# Altium PCB Archimajor.PcbDoc (part 2 of 12) (continued)
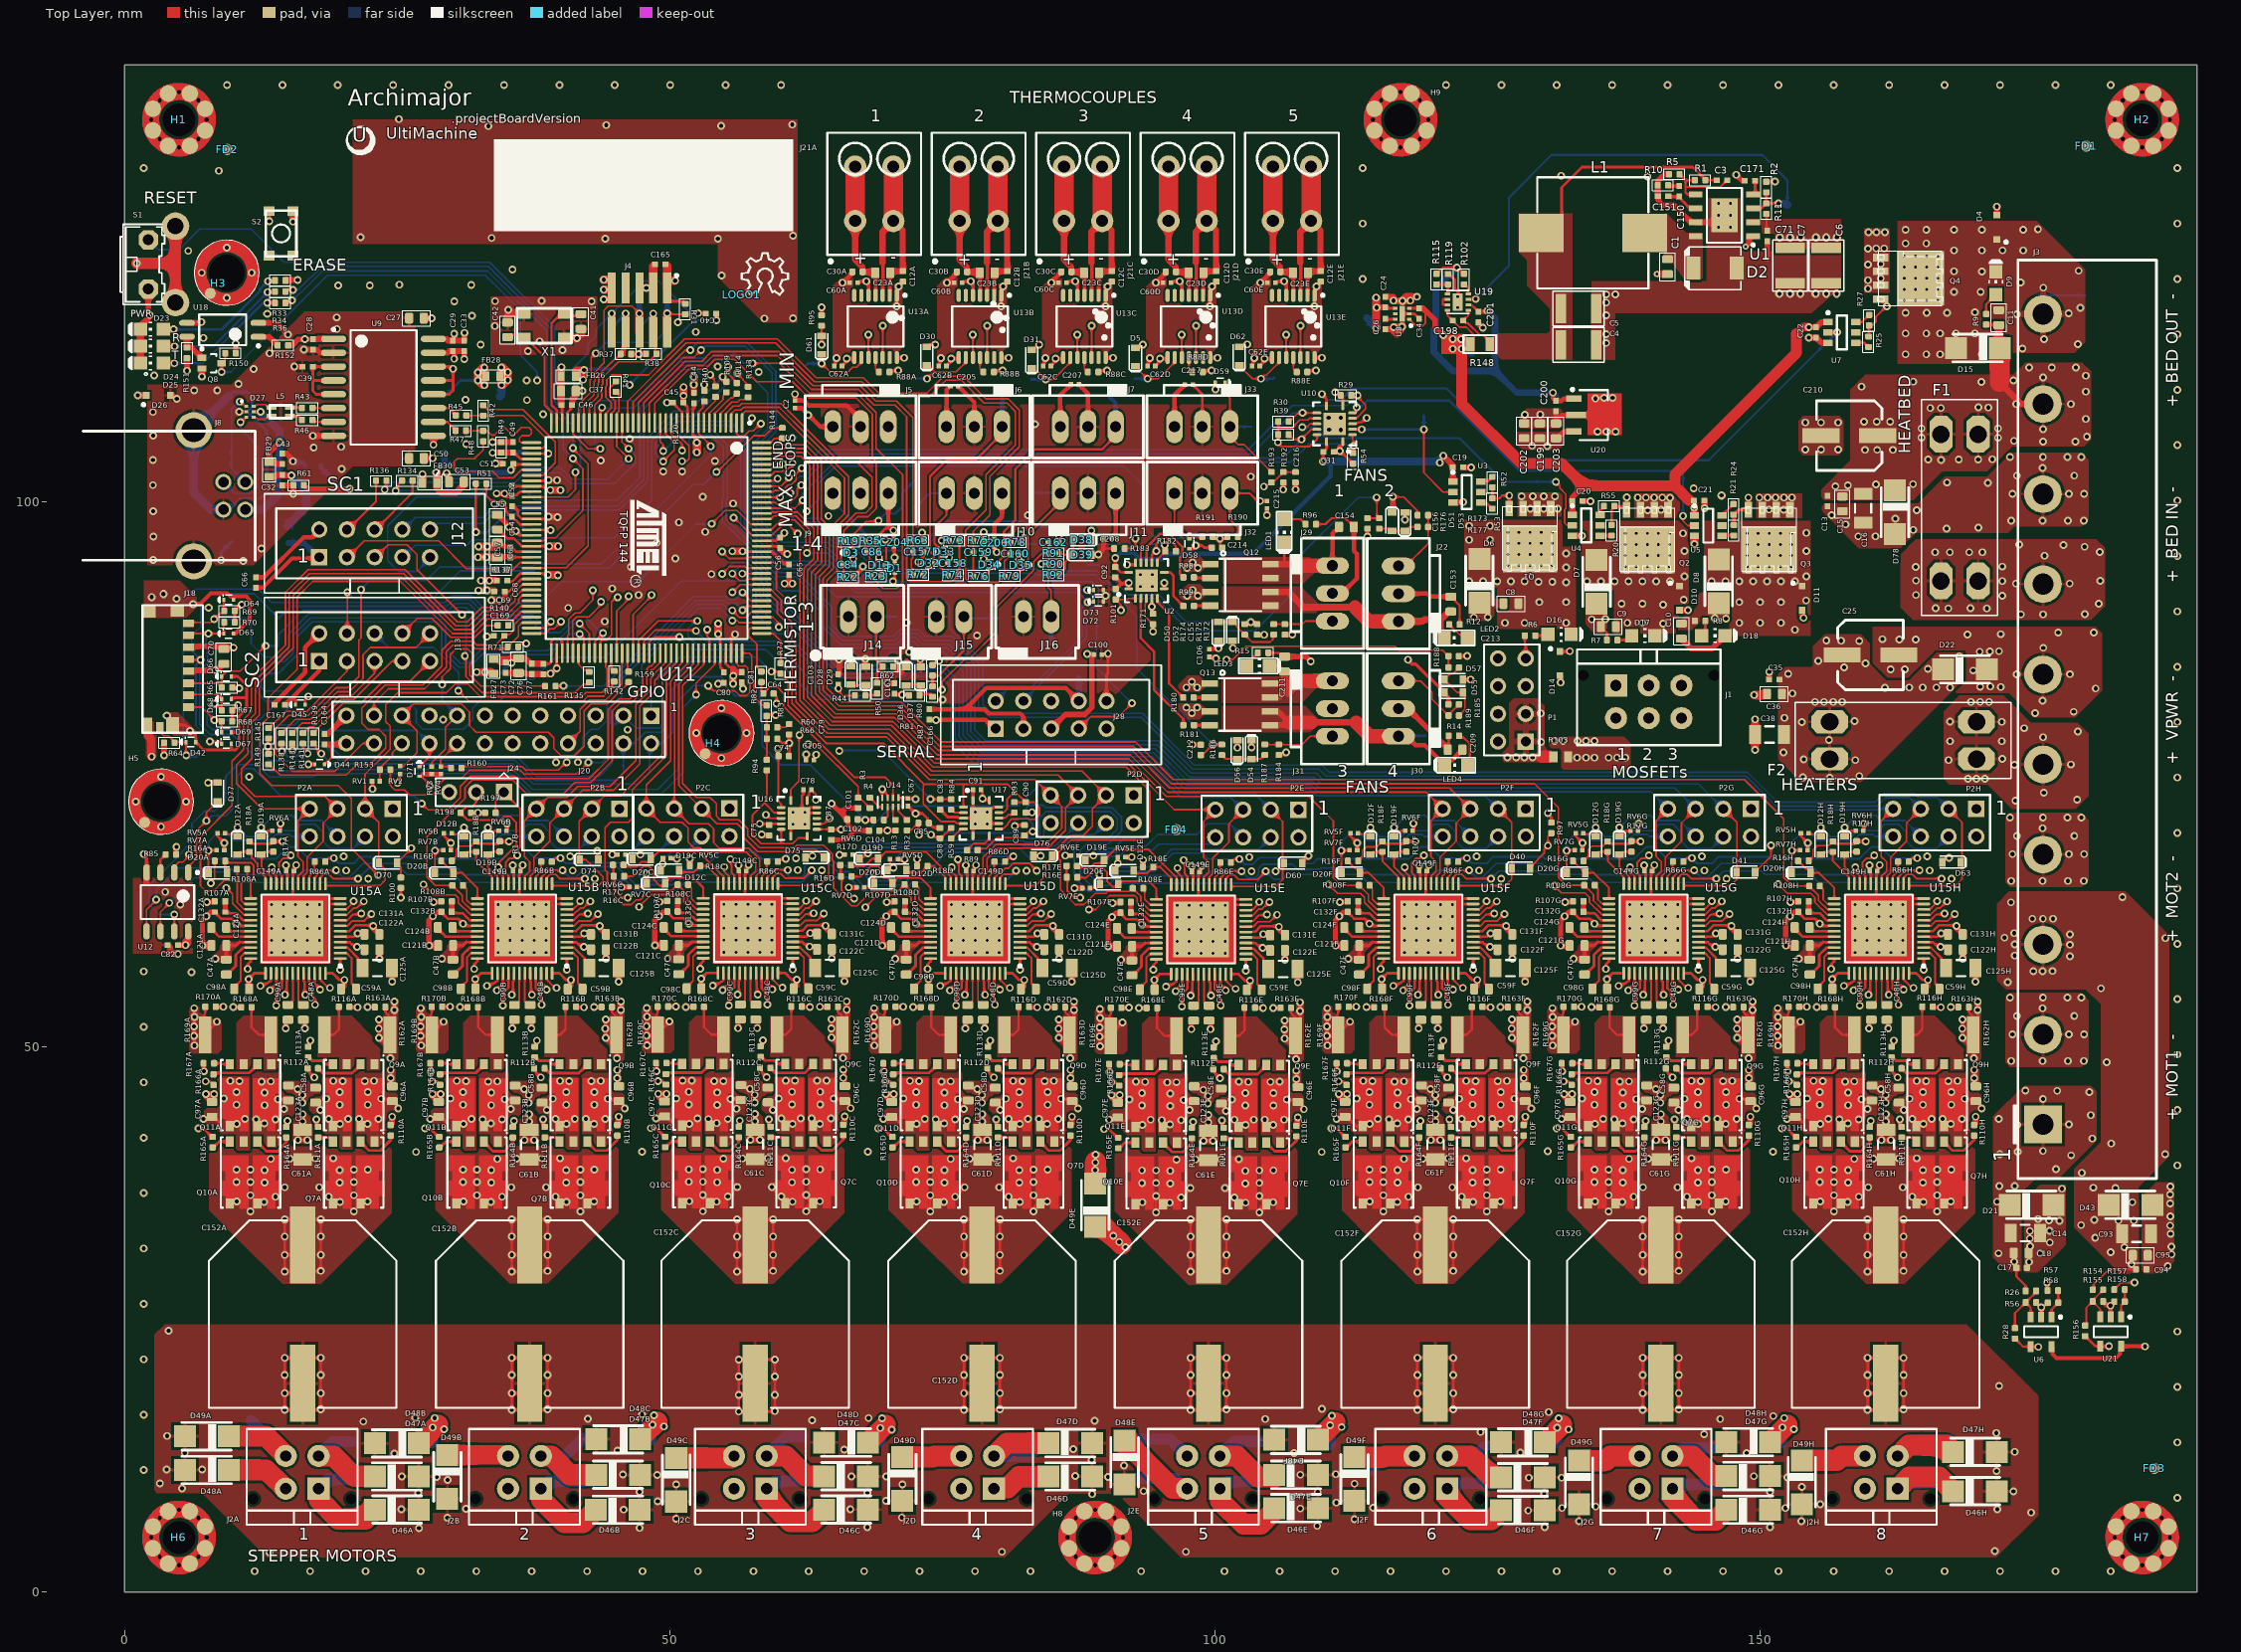
[diagram p0: Top Layer view]
## Components (designator, comment, footprint, x,y, rotation, side; value= is the part's Value field where it differs from the comment) (continued)
RV5G "AVRM0603C6R8NT101N" "C0201 Large Pads" 133.4,69.56 r180 top value=6.8V (schematic designator RV5)
RV5H "AVRM0603C6R8NT101N" "C0201 Large Pads" 154.05,69.56 r180 top value=6.8V (schematic designator RV5)
RV6A "AVRM0603C6R8NT101N" "C0201 Large Pads" 13.9,69.785 r0 top value=6.8V (schematic designator RV6)
RV6B "AVRM0603C6R8NT101N" "C0201 Large Pads" 34.675,69.785 r0 top value=6.8V (schematic designator RV6)
RV6C "AVRM0603C6R8NT101N" "C0201 Large Pads" 45.563,67.619 r180 top value=6.8V (schematic designator RV6)
RV6D "AVRM0603C6R8NT101N" "C0201 Large Pads" 66.405,67.595 r180 top value=6.8V (schematic designator RV6)
RV6E "AVRM0603C6R8NT101N" "C0201 Large Pads" 87.113,67.519 r180 top value=6.8V (schematic designator RV6)
RV6F "AVRM0603C6R8NT101N" "C0201 Large Pads" 117.775,69.785 r0 top value=6.8V (schematic designator RV6)
RV6G "AVRM0603C6R8NT101N" "C0201 Large Pads" 138.425,69.785 r0 top value=6.8V (schematic designator RV6)
RV6H "AVRM0603C6R8NT101N" "C0201 Large Pads" 159.075,69.785 r0 top value=6.8V (schematic designator RV6)
RV7A "AVRM0603C6R8NT101N" "C0201 Large Pads" 8.8,68.01 r0 top value=6.8V (schematic designator RV7)
RV7B "AVRM0603C6R8NT101N" "C0201 Large Pads" 29.575,68.01 r0 top value=6.8V (schematic designator RV7)
RV7C "AVRM0603C6R8NT101N" "C0201 Large Pads" 46.633,64.634 r180 top value=6.8V (schematic designator RV7)
RV7D "AVRM0603C6R8NT101N" "C0201 Large Pads" 67.475,64.61 r180 top value=6.8V (schematic designator RV7)
RV7E "AVRM0603C6R8NT101N" "C0201 Large Pads" 88.183,64.534 r180 top value=6.8V (schematic designator RV7)
RV7F "AVRM0603C6R8NT101N" "C0201 Large Pads" 112.675,68.01 r0 top value=6.8V (schematic designator RV7)
RV7G "AVRM0603C6R8NT101N" "C0201 Large Pads" 133.325,68.01 r0 top value=6.8V (schematic designator RV7)
RV7H "AVRM0603C6R8NT101N" "C0201 Large Pads" 153.975,68.01 r0 top value=6.8V (schematic designator RV7)
S1 "1571610-2" B3F-31XX 3.429,121.73 r270 top value=-NA-
S2 "KMR741NG ULC LFS" "KMR 6 Series" 14.359,124.568 r270 top value=-NA-
TP1 "TestPoint" TP1-27#1 122.293,82.509 r180 bottom
TP2 "TestPoint" TP1-27#1 113.843,88.984 r180 bottom
TP3A "TP4" TP-2 20.882,13.789 r270 bottom (schematic designator TP3)
TP3B "TP4" TP-2 42.021,14.106 r270 bottom (schematic designator TP3)
TP3C "TP4" TP-2 62.15,14.265 r270 bottom (schematic designator TP3)
TP3D "TP4" TP-2 84.617,14.166 r270 bottom (schematic designator TP3)
TP3E "TP4" TP-2 104.766,13.809 r270 bottom (schematic designator TP3)
TP3F "TP4" TP-2 124.717,13.314 r270 bottom (schematic designator TP3)
TP3G "TP4" TP-2 146.014,13.215 r270 bottom (schematic designator TP3)
TP3H "TP4" TP-2 167.471,13.967 r270 bottom (schematic designator TP3)
TP4 "TestPoint" TP1-27#2 87.497,83.784 r90 bottom
TP5 "TP4" TP-2 9.804,103.912 r180 bottom
TP6 "TP4" TP-2 11.405,105.881 r180 bottom
TP7 "TestPoint" TP1-27#2 131.783,109.331 r90 bottom
TP8 "TestPoint" TP1-27#1 110.75,96.359 r90 bottom
TP9 "TP4" TP-2 62.357,84.201 r90 bottom
TP10 "TP4" TP-2 73.568,82.712 r90 bottom
TP11A "TP4" TP-2 62.546,112.526 r90 bottom (schematic designator TP11)
TP11B "TP4" TP-2 72.433,111.278 r90 bottom (schematic designator TP11)
TP11C "TP4" TP-2 83.171,111.179 r90 bottom (schematic designator TP11)
TP11D "TP4" TP-2 92.641,111.278 r90 bottom (schematic designator TP11)
TP11E "TP4" TP-2 105.4,111.317 r90 bottom (schematic designator TP11)
TP12A "TP4" TP-2 22.427,10.342 r90 bottom (schematic designator TP12)
TP12B "TP4" TP-2 42.992,10.164 r90 bottom (schematic designator TP12)
TP12C "TP4" TP-2 63.933,10.183 r90 bottom (schematic designator TP12)
TP12D "TP4" TP-2 85.172,10.064 r90 bottom (schematic designator TP12)
TP12E "TP4" TP-2 104.786,10.144 r90 bottom (schematic designator TP12)
TP12F "TP4" TP-2 125.588,9.965 r90 bottom (schematic designator TP12)
TP12G "TP4" TP-2 146.331,9.866 r90 bottom (schematic designator TP12)
TP12H "TP4" TP-2 167.51,10.005 r90 bottom (schematic designator TP12)
TP13 "TP4" TP-2 6.629,76.645 r270 bottom
TP14 "TP4" TP-2 7.493,86.741 r270 bottom
TP15 "TP4" TP-2 14.097,86.741 r270 bottom
TP16 "TP4" TP-2 14.097,81.661 r270 bottom
TP17 "TestPoint" TP1-27#1 119.293,78.509 r180 bottom
TP18 "TestPoint" TP1-27#1 107.843,83.534 r180 bottom
TP19 "TP4" TP-2 96.225,97.535 r90 bottom
TP20 "TP4" TP-2 11.61,89.281 r270 bottom
TP21 "TP4" TP-2 14.15,89.281 r270 bottom
TP22 "TP4" TP-2 14.097,84.201 r270 bottom
TP23A "TP4" TP-2 70.551,128.098 r90 bottom (schematic designator TP23)
TP23B "TP4" TP-2 80.06,128.098 r90 bottom (schematic designator TP23)
TP23C "TP4" TP-2 89.629,128.098 r90 bottom (schematic designator TP23)
TP23D "TP4" TP-2 99.238,128.098 r90 bottom (schematic designator TP23)
TP23E "TP4" TP-2 108.807,128.098 r90 bottom (schematic designator TP23)
TP24A "TP4" TP-2 67.024,128.098 r90 bottom (schematic designator TP24)
TP24B "TP4" TP-2 76.613,128.098 r90 bottom (schematic designator TP24)
TP24C "TP4" TP-2 86.162,128.098 r90 bottom (schematic designator TP24)
TP24D "TP4" TP-2 95.771,128.098 r90 bottom (schematic designator TP24)
TP24E "TP4" TP-2 105.321,128.098 r90 bottom (schematic designator TP24)
TP25 "TP4" TP-2 72.517,101.981 r90 bottom
TP26 "TP4" TP-2 44.577,112.141 r270 bottom
TP27 "TP4" TP-2 34.417,84.201 r270 bottom
TP29 "TP4" TP-2 29.337,104.521 r270 bottom
TP30 "TP4" TP-2 9.017,112.141 r270 bottom
TP31 "TP4" TP-2 16.637,99.441 r270 bottom
TP32 "TP4" TP-2 36.957,104.521 r270 bottom
TP33 "TP4" TP-2 175.55,38.335 r90 bottom
TP34A "TP4" TP-2 10.5,10.837 r270 bottom (schematic designator TP34)
TP34B "TP4" TP-2 28.212,13.71 r270 bottom (schematic designator TP34)
TP34C "TP4" TP-2 48.282,13.987 r270 bottom (schematic designator TP34)
TP34D "TP4" TP-2 69.306,13.789 r270 bottom (schematic designator TP34)
TP34E "TP4" TP-2 92.819,10.401 r270 bottom (schematic designator TP34)
TP34F "TP4" TP-2 110.511,13.512 r270 bottom (schematic designator TP34)
TP34G "TP4" TP-2 131.215,13.71 r270 bottom (schematic designator TP34)
TP34H "TP4" TP-2 151.899,13.65 r270 bottom (schematic designator TP34)
TP35 "TP4" TP-2 119.129,107.861 r270 bottom
TP36 "TP4" TP-2 123.595,113.551 r0 bottom
TP37 "TP4" TP-2 179.814,118.897 r270 bottom
TP38 "TP4" TP-2 151.209,92.609 r90 bottom
TP39 "TP4" TP-2 140.008,92.609 r270 bottom
TP40 "TP4" TP-2 129.289,92.71 r180 bottom
TP41A "TP4" TP-2 11.63,15.691 r270 bottom (schematic designator TP41)
TP41B "TP4" TP-2 32.294,12.462 r270 bottom (schematic designator TP41)
TP41C "TP4" TP-2 52.224,12.363 r270 bottom (schematic designator TP41)
TP41D "TP4" TP-2 73.72,12.482 r270 bottom (schematic designator TP41)
TP41E "TP4" TP-2 92.819,14.007 r270 bottom (schematic designator TP41)
TP41F "TP4" TP-2 114.216,11.134 r270 bottom (schematic designator TP41)
TP41G "TP4" TP-2 135.118,12.422 r270 bottom (schematic designator TP41)
TP41H "TP4" TP-2 156.138,12.66 r270 bottom (schematic designator TP41)
TP43 "TP4" TP-2 179.814,108.92 r90 bottom
TP44 "TP4" TP-2 179.814,92.516 r180 bottom
TP46 "TP4" TP-2 157.109,83.779 r90 bottom
TP47 "TP4" TP-2 113.929,116.808 r180 bottom
TP48 "TP4" TP-2 179.814,75.913 r180 bottom
TP49 "TP4" TP-2 49.657,118.221 r0 bottom
TP50 "TP4" TP-2 47.117,118.221 r0 bottom
TP51 "TP4" TP-2 179.814,84.234 r180 bottom
TP52 "TP4" TP-2 47.117,115.681 r0 bottom
TP53 "TP4" TP-2 44.577,115.681 r0 bottom
TP54 "TP4" TP-2 89.125,88.56 r0 bottom
TP55 "TP4" TP-2 179.814,99.569 r90 bottom
TP56 "TP4" TP-2 42.037,107.061 r90 bottom
TP58 "TP4" TP-2 126.749,100.33 r90 bottom
TP59 "TP4" TP-2 130.193,101.784 r270 bottom
TP60 "TP4" TP-2 9.804,96.292 r90 bottom
TP61 "TP4" TP-2 14.075,103.416 r90 bottom
TP62 "TP4" TP-2 137.468,100.229 r90 bottom
TP63 "TP4" TP-2 142.893,102.784 r270 bottom
TP64 "TP4" TP-2 148.669,100.229 r90 bottom
TP65 "TP4" TP-2 155.917,114.452 r180 bottom
TP66 "TP4" TP-2 161.468,117.198 r270 bottom
TP67 "TP4" TP-2 67.118,97.818 r90 bottom
TP69 "TestPoint" TP1-27#2 152.476,127.178 r90 bottom
TP74 "TP4" TP-2 9.292,71.172 r90 bottom
TP75 "TP4" TP-2 48.625,83.385 r0 bottom
TP76 "TP4" TP-2 45.7,75.11 r0 bottom
TP77 "TP4" TP-2 48.15,75.16 r0 bottom
TP78 "TP4" TP-2 9.274,73.908 r90 bottom
TP79 "TP4" TP-2 179.814,59.469 r90 bottom
TP80 "TP4" TP-2 80.137,109.601 r90 bottom
TP81 "TP4" TP-2 72.517,99.441 r90 bottom
TP82 "TP4" TP-2 103.368,106.846 r90 bottom
TP101 "TP4" TP-2 64.743,83.109 r90 bottom
TP106 "TP4" TP-2 70.768,89.609 r270 bottom
TP107 "TP4" TP-2 80.137,89.281 r270 bottom
TP108 "TP4" TP-2 85.217,86.741 r270 bottom
TP128 "TP4" TP-2 34.417,109.601 r90 bottom
TP129 "TP4" TP-2 29.337,109.601 r90 bottom
TP130 "TP4" TP-2 90.297,109.601 r90 bottom
TP131 "TP4" TP-2 83.325,100.785 r90 bottom
U1 "TPS54531" SOIC127P600X170_HS-9L 146.694,126.231 r180 top
U2 "SN74AHCT125RGYR" QFN50P350X350X100_RGY_S-PVQFN-N14#1 93.699,92.738 r0 top value="Tri-State Buffer"
U3 "ZXGD3009E6" SOT26P285X140-6L 123.07,100.861 r0 top
U4 "ZXGD3009E6" SOT26P285X140-6L 134.025,97.794 r0 top
U5 "ZXGD3009E6" SOT26P285X140-6L 145.21,97.777 r0 top
U6 "AP331A" SOT23-5 175.726,23.855 r270 top
U7 "ZXGD3009E6" SOT26P285X140-6L 157.463,115.493 r0 top
U8 "MIC5353-3.3YMT-TR" TDFN1616-6LD-PL-1 117.152,117.205 r90 top value="3.3V LDO"
U9 "ADuM3160" ADuM4160 23.749,110.453 r0 top value="USB ISO"
U10 "SN74AHCT125RGYR" QFN50P350X350X100_RGY_S-PVQFN-N14#2 110.961,107.109 r90 top value="Tri-State Buffer"
U11 "ATSAM3X8EA-AU" LQFP144_N 47.879,96.638 r270 top value=-NA-
U12 "AT25SF161-SSHD-T" S25FL216K0PMFI041 3.937,63.271 r270 top value=16Mb
U13A "MAX31856MUD" "TSSOP-14L 65P640X110" 68.865,116.039 r270 top (schematic designator U13)
U13B "MAX31856MUD" "TSSOP-14L 65P640X110" 78.441,116.039 r270 top (schematic designator U13)
U13C "MAX31856MUD" "TSSOP-14L 65P640X110" 88.016,116.039 r270 top (schematic designator U13)
U13D "MAX31856MUD" "TSSOP-14L 65P640X110" 97.592,116.039 r270 top (schematic designator U13)
U13E "MAX31856MUD" "TSSOP-14L 65P640X110" 107.168,116.039 r270 top (schematic designator U13)
U14 "74AVC9112" XSON50P100X50-8L 70.218,72.402 r270 top
U15A "TMC5160-TA" TQFP48-EP 15.682,60.835 r180 top (schematic designator U15)
U15B "TMC5160-TA" TQFP48-EP 36.457,60.835 r180 top (schematic designator U15)
U15C "TMC5160-TA" TQFP48-EP 57.165,60.86 r180 top (schematic designator U15)
U15D "TMC5160-TA" TQFP48-EP 78.007,60.835 r180 top (schematic designator U15)
U15E "TMC5160-TA" TQFP48-EP 98.715,60.76 r180 top (schematic designator U15)
U15F "TMC5160-TA" TQFP48-EP 119.557,60.835 r180 top (schematic designator U15)
U15G "TMC5160-TA" TQFP48-EP 140.208,60.835 r180 top (schematic designator U15)
U15H "TMC5160-TA" TQFP48-EP 160.858,60.835 r180 top (schematic designator U15)
U16 "SN74LVC125A" PVQFN14_3.5X3.5 61.843,70.934 r270 top
U17 "SN74LVC125A" PVQFN14_3.5X3.5 78.55,70.96 r270 top
U18 "TLP293" SO-4 9.004,115.726 r180 top value=-NA-
U19 "INA381A2IDSGR" WSON8_2X2MM 122.249,118.275 r180 top value=INA381A2
U20 "78L05" SOT-89-3 134.692,107.906 r0 top value="5V LDO"
U21 "AP331A" SOT23-5 182.105,23.871 r270 top
X1 "12MHz" CRYS320500 38.48,116.103 r0 top

## Footprints (in the part's own frame and the unit in brackets; to place one, negate y for a bottom-side part, rotate by r counter-clockwise, add the part's x,y. Pads: shape width x height; smd on the part's side, far side on the other; paste and mask are expansions set on the pad)
3557 [mil] "3557"
  oct 133x83 hole 63: 1(-265,-67) 1(-265,67) 2(265,-67) 2(265,67)
  silkscreen extent -390,-138 390,138, body extent -392,-140 392,140, height 709
43045-0412 [mm] "Micro-Fit Through Hole 4pos 0.118\" (3.00mm)"
  rect 2.032x2.032 hole 1.02: 1(-1.5,1.5)
  round 2.032 hole 1.02: 2(-1.5,-1.5) 3(1.5,1.5) 4(1.5,-1.5)
  round 0 hole 1.02 unplated: ""(-4.5,2.44) ""(4.5,2.44)
  silkscreen extent -5.07,-3.97 5.08,4.8, body extent -5.07,-3.97 5.08,4.8, height 9.9
43045-0612 [mm] "Micro-Fit Through Hole 6pos 0.118\" (3.00mm)"
  rect 2.032x2.032 hole 1.02: 1(-3,1.5)
  round 2.032 hole 1.02: 2(-3,-1.5) 3(0,1.5) 4(0,-1.5) 5(3,1.5) 6(3,-1.5)
  round 0 hole 1.02 unplated: ""(-6,2.44) ""(6,2.44)
  silkscreen extent -6.57,-3.97 6.58,4.8, body extent -6.57,-3.97 6.58,4.8, height 9.9
"70543-01 PIN-IN-PASTE" [mil]
  oval 60x120 hole 40: 1(-50,0) 2(50,0)
  oval 59x119 on Top Paste: ""(-50,0) ""(50,0)
  silkscreen extent -150,-150 150,113, body extent -150,-150 150,113, height 450
"70543-02 PIN-IN-PASTE" [mil]
  oval 60x120 hole 40: 1(-100,0) 2(0,0) 3(100,0)
  oval 59x119 on Top Paste: ""(-100,0) ""(0,0) ""(100,0)
  silkscreen extent -200,-150 200,113, body extent -200,-150 200,113, height 450
1864286 [mm] "TERM BLOCK 2POS 45DEG 3.5MM PCB"
  round 2.032 hole 1.1: 1(-1.75,-2.5) 1(-1.75,2.5) 2(1.75,-2.5) 2(1.75,2.5)
  silkscreen extent -4.3,-6.34 4.3,5.6, body extent -4.3,-5.6 4.3,5.6, height 10.9
ADuM4160 [mm] "SOIC, 16-Leads, Body 10.30x7.50mm, Pitch 1.27mm, IPC Medium Density"
  oval 2.3x0.6 smd: 1(-4.575,4.445) 2(-4.575,3.175) 3(-4.575,1.905) 4(-4.575,0.635) 5(-4.575,-0.635) 6(-4.575,-1.905) 7(-4.575,-3.175) 8(-4.575,-4.445) 9(4.575,-4.445) 10(4.575,-3.175) 11(4.575,-1.905) 12(4.575,-0.635) 13(4.575,0.635) 14(4.575,1.905) 15(4.575,3.175) 16(4.575,4.445)
  silkscreen extent -4.7,-5.25 3.03,5.42, body extent -3.8,-5.25 3.8,5.25, height 2.65
B3F-31XX [mil]
  oct 70x70 hole 40: 1(-89,-49) 2(89,-49)
  round 100 hole 59: 3(-138,49) 4(138,49)
  silkscreen extent -145,-150 145,10, body extent -165,-200 165,109, height 303
"C0201 Large Pads" [mm] "Chip Capacitor, 2-Leads, Body 0.60x0.30mm, IPC Medium Density"
  rect 0.42x0.42 smd: 1(-0.35,0) 2(0.35,0)
  body extent -0.31,-0.17 0.32,0.16, height 0.33
C0402#1 [mm]
  rect 0.55x0.5 smd: 1(-0.475,0) 2(0.483,0)
  body extent -0.51,-0.25 0.51,0.25, height 0.5
C0402#2 [mm]
  rrect40% 0.559x0.61 smd: 1(-0.475,0) 2(0.475,0)
  body extent -0.5,-0.25 0.51,0.25, height 0.5
C0603 [mm]
  rrect40% 0.74x1 smd: 1(-0.68,0) 2(0.68,0)
  silkscreen extent -1.28,-0.7 1.28,0.7, body extent -0.8,-0.4 0.8,0.4, height 0.8
C1206#1 [mm] "Chip Capacitor, Body 3.2x1.6mm, IPC High Density"
  rect 1.1x1.7 smd: 1(-1.35,0) 2(1.35,0)
  silkscreen extent -0.4,-0.75 0.4,0.75, body extent -1.7,-0.9 1.7,0.9, height 1.3
C1206#2 [mm]
  rect 1.1x1.7 smd: 1(-1.325,0) 2(1.325,0)
  silkscreen extent -0.4,-0.75 0.4,0.75, body extent -1.68,-0.87 1.67,0.88, height 1.6
C1210 [mm]
  rect 0.95x2.7 smd: 1(-1.625,0) 2(1.625,0)
  silkscreen extent -2.35,-1.6 2.35,1.6, body extent -1.75,-1.35 1.75,1.35, height 2.7
CAP16x17 [mm] "Aluminum Electrolytic Capacitor, Body 10.30x10.30x10.80mm, IPC High Density"
  rect 7.05x2.3 smd: 1(-6.345,0) 2(6.345,0)
  silkscreen extent -8.6,-8.6 8.6,8.6, body extent -8.6,-8.6 8.6,8.6, height 17
CAP-ELEC-063063077 [mm] "6.3x6.3x7.7mm"
  rect 3.4x1.4 smd: 1(2.6,0) 2(-2.6,0)
  silkscreen extent -3,-3.2 3,3.2, body extent -3.5,-3.3 3.5,3.3, height 5.4
CON-Barrier-10-8.26mm [mil]
  rect 136x135.98 hole 75.98: 1(-812.5,160)
  oval 136x135.98 hole 75.98: 2(-487.5,160) 3(-162.5,160) 4(162.5,160) 5(487.5,160) 6(812.5,160) 7(1138.29,160) 8(1463.29,160) 9(1788.29,160) 10(2113.29,160)
  silkscreen extent -1008,-250 2308,265, body extent -1007,-250 2308,250, height 530
CRYS320500 [mm]
  rect 1.2x0.9 smd: 1(-1.85,-1.1) 2(1.85,-1.1) 3(1.85,1.1) 4(-1.85,1.1)
  round 0.889 on Top Overlay: ""(-1.85,-2.25)
  silkscreen extent -2.5,-1.6 2.5,1.6, body extent -2.55,-1.65 2.55,1.65, height 1.05
DLW21HN900SQ2L [mm]
  rect 0.9x0.4 smd: 1(-0.85,0.4) 2(0.85,0.4) 3(0.85,-0.4) 4(-0.85,-0.4)
  silkscreen extent -1,-0.6 1,0.6, body extent -1,-0.6 1,0.6, height 1
FB0603 [mm] "Ferrite Bead, Samsung CIS10P High Current Series"
  rect 0.67x0.88 smd: 1(-0.665,0) 2(0.665,0)
  silkscreen extent -1.1,-0.6 1.1,0.6, body extent -0.87,-0.48 0.87,0.48, height 0.95
FIDUCIAL-1X2 [mil]
  rrect100% 40x40 smd paste-3897.64 mask+20: F(0,0)
  body extent -20,-20 20,20, height 1
FTSH-105-XX-X-DV [mm] "1.27mm pitch, 10 pin, terminal strip; vertical, SMT"
  rect 0.75x2.8 smd: 1(2.54,2.03) 2(2.54,-2.03) 3(1.27,2.03) 4(1.27,-2.03) 5(0,2.03) 6(0,-2.03) 7(-1.27,2.03) 8(-1.27,-2.03) 9(-2.54,2.03) 10(-2.54,-2.03)
  silkscreen extent 3.28,3.03 3.52,3.27, body extent -3.14,-2.54 3.14,2.54, height 10
HDR2X4 [mm] "Connector; Header; 4x2 Position"
  rect 1.5x1.5 hole 0.9: 1(0,0)
  round 1.5 hole 0.9: 2(0,2.54) 3(2.54,0) 4(2.54,2.54) 5(5.08,0) 6(5.08,2.54) 7(7.62,0) 8(7.62,2.54)
  silkscreen extent -1.27,-1.27 8.89,3.81, body extent -1.37,-1.37 8.99,3.91, height 6.35
"HDR2X5 IDC" [mm] "Connector; Header; 5x2 Position"
  rect 1.5x1.5 hole 0.9: 1(-5.08,-1.27)
  round 1.5 hole 0.9: 2(-5.08,1.27) 3(-2.54,-1.27) 4(-2.54,1.27) 5(0,-1.27) 6(0,1.27) 7(2.54,-1.27) 8(2.54,1.27) 9(5.08,-1.27) 10(5.08,1.27)
  silkscreen extent -10.11,-4.55 10.11,4.55, body extent -10.19,-4.63 10.19,4.63, height 9.1
HDR2X12 [mm] "Connector; Header; 12x2 Position"
  rect 1.5x1.5 hole 0.9: 1(0,0)
  round 1.5 hole 0.9: 2(0,2.54) 3(2.54,0) 4(2.54,2.54) 5(5.08,0) 6(5.08,2.54) 7(7.62,0) 8(7.62,2.54) 9(10.16,0) 10(10.16,2.54) 11(12.7,0) 12(12.7,2.54) 13(15.24,0) 14(15.24,2.54) 15(17.78,0) 16(17.78,2.54) 17(20.32,0) 18(20.32,2.54) 19(22.86,0) 20(22.86,2.54) 21(25.4,0) 22(25.4,2.54) 23(27.94,0) 24(27.94,2.54)
  silkscreen extent -1.27,-1.27 29.21,3.81, body extent -1.37,-1.37 29.31,3.91, height 10
HDR3X1 [mm]
  rect 1.5x1.5 hole 0.9: 1(-2.54,0)
  round 1.5 hole 0.9: 2(0,0) 3(2.48,0)
  silkscreen extent -3.81,-1.78 3.73,1.27, body extent -3.81,-1.27 3.73,1.27, height 6.35
IND_10X10 [mm]
  rect 4.1x3.5 smd: 1(-4.75,0) 2(4.75,0)
  silkscreen extent -5.1,-5.1 5.1,5.1, body extent -5,-5 5,5, height 4
"KMR 6 Series" [mm] "Tactile Switch SPST-NO Top Actuated Surface Mount"
  rect 0.9x1 smd: 1(-2.05,1.1) 2(2.05,1.1) 3(-2.05,-1.1) 4(2.05,-1.1)
  silkscreen extent -2.1,-1.4 2.1,1.4, body extent -2.1,-1.4 2.1,1.4, height 1.9
LED2012120 [mil]
  rect 48x48 smd: A(-41.34,0) C(42,0)
  silkscreen extent 0,-27 85,27, body extent -50,-25 50,25, height 28
LQFP144_N [mm] "Thin QFP, 144-Leads, Body 20x20mm, Pitch 0.5mm, IPC Medium Density"
  oval 1.8x0.249 smd: 1(-10.55,8.75) 2(-10.55,8.25) 3(-10.55,7.75) 4(-10.55,7.25) 5(-10.55,6.75) 6(-10.55,6.25) 7(-10.55,5.75) 8(-10.55,5.25) 9(-10.55,4.75) 10(-10.55,4.25) 11(-10.55,3.75) 12(-10.55,3.25) 13(-10.55,2.75) 14(-10.55,2.25) 15(-10.55,1.75) 16(-10.55,1.25) 17(-10.55,0.75) 18(-10.55,0.25) 19(-10.55,-0.25) 20(-10.55,-0.75) 21(-10.55,-1.25) 22(-10.55,-1.75) 23(-10.55,-2.25) 24(-10.55,-2.75) 25(-10.55,-3.25) 26(-10.55,-3.75) 27(-10.55,-4.25) 28(-10.55,-4.75) 29(-10.55,-5.25) 30(-10.55,-5.75) 31(-10.55,-6.25) 32(-10.55,-6.75) 33(-10.55,-7.25) 34(-10.55,-7.75) 35(-10.55,-8.25) 36(-10.55,-8.75) 73(10.55,-8.75) 74(10.55,-8.25) 75(10.55,-7.75) 76(10.55,-7.25) 77(10.55,-6.75) 78(10.55,-6.25) 79(10.55,-5.75) 80(10.55,-5.25) 81(10.55,-4.75) 82(10.55,-4.25) 83(10.55,-3.75) 84(10.55,-3.25) 85(10.55,-2.75) 86(10.55,-2.25) 87(10.55,-1.75) 88(10.55,-1.25) 89(10.55,-0.75) 90(10.55,-0.25) 91(10.55,0.25) 92(10.55,0.75) 93(10.55,1.25) 94(10.55,1.75) 95(10.55,2.25) 96(10.55,2.75) 97(10.55,3.25) 98(10.55,3.75) 99(10.55,4.25) 100(10.55,4.75) 101(10.55,5.25) 102(10.55,5.75) 103(10.55,6.25) 104(10.55,6.75) 105(10.55,7.25) 106(10.55,7.75) 107(10.55,8.25) 108(10.55,8.75)
  oval 0.249x1.8 smd: 37(-8.75,-10.55) 38(-8.25,-10.55) 39(-7.75,-10.55) 40(-7.25,-10.55) 41(-6.75,-10.55) 42(-6.25,-10.55) 43(-5.75,-10.55) 44(-5.25,-10.55) 45(-4.75,-10.55) 46(-4.25,-10.55) 47(-3.75,-10.55) 48(-3.25,-10.55) 49(-2.75,-10.55) 50(-2.25,-10.55) 51(-1.75,-10.55) 52(-1.25,-10.55) 53(-0.75,-10.55) 54(-0.25,-10.55) 55(0.25,-10.55) 56(0.75,-10.55) 57(1.25,-10.55) 58(1.75,-10.55) 59(2.25,-10.55) 60(2.75,-10.55) 61(3.25,-10.55) 62(3.75,-10.55) 63(4.25,-10.55) 64(4.75,-10.55) 65(5.25,-10.55) 66(5.75,-10.55) 67(6.25,-10.55) 68(6.75,-10.55) 69(7.25,-10.55) 70(7.75,-10.55) 71(8.25,-10.55) 72(8.75,-10.55) 109(8.75,10.55) 110(8.25,10.55) 111(7.75,10.55) 112(7.25,10.55) 113(6.75,10.55) 114(6.25,10.55) 115(5.75,10.55) 116(5.25,10.55) 117(4.75,10.55) 118(4.25,10.55) 119(3.75,10.55) 120(3.25,10.55) 121(2.75,10.55) 122(2.25,10.55) 123(1.75,10.55) 124(1.25,10.55) 125(0.75,10.55) 126(0.25,10.55) 127(-0.25,10.55) 128(-0.75,10.55) 129(-1.25,10.55) 130(-1.75,10.55) 131(-2.25,10.55) 132(-2.75,10.55) 133(-3.25,10.55) 134(-3.75,10.55) 135(-4.25,10.55) 136(-4.75,10.55) 137(-5.25,10.55) 138(-5.75,10.55) 139(-6.25,10.55) 140(-6.75,10.55) 141(-7.25,10.55) 142(-7.75,10.55) 143(-8.25,10.55) 144(-8.75,10.55)
  silkscreen extent -10.67,-9.25 9.25,9.58, body extent -10,-10 10,10, height 1.6
NCV8402AD-SOIC8 [mil]
  rect 24x60 smd: 1(-75,-108.27) 2(-25,-108.27) 3(25,-108.27) 4(75,-108.27) 5(25,109) 5(75,109) 7(-75,109) 7(-25,109)
  silkscreen extent -122,-75 95,75, body extent -98,-130 99,130, height 58
OSHW_8X150_NOTEXT [mm]
  silkscreen extent 0,0 4.24,3.81, body extent 0,0.05 4.27,3.76
PN61729 [mil]
  round 58 hole 38: 1(50,186) 2(-49.21,186) 3(-49.21,107) 4(50,107)
  round 130.5 hole 87: 5(-236.22,0) 6(237,0)
  body extent -237,-405 238,226, height 406
PVQFN14_3.5X3.5 [mm] "QFN, 14-Leads, Body 3.50x3.50mm, Pitch 1.50mm/0.50mm, Thermal Pad 2.05x2.05mm, IPC High Density"
  oval 0.8x0.28 smd: 1(-1.631,-0.75) 7(1.631,-0.75) 8(1.631,0.75) 14(-1.631,0.75)
  oval 0.28x0.8 smd: 2(-1,-1.631) 3(-0.5,-1.631) 4(0,-1.631) 5(0.5,-1.631) 6(1,-1.631) 9(1,1.631) 10(0.5,1.631) 11(0,1.631) 12(-0.5,1.631) 13(-1,1.631)
  rect 2.05x2.05 smd paste-1.143: 15(0,0)
  silkscreen extent -2.66,-1.97 1.97,1.97, body extent -1.83,-1.83 1.83,1.83, height 1
QFN50P350X350X100_RGY_S-PVQFN-N14#1 [mm] "QFN, 14-Leads, Body 3.50x3.50mm, Pitch 1.50mm/0.50mm, Thermal Pad 2.05x2.05mm, IPC High Density"
  oval 0.8x0.28 smd: 1(-1.631,-0.75) 7(1.631,-0.75) 8(1.631,0.75) 14(-1.631,0.75)
  oval 0.28x0.8 smd: 2(-1,-1.631) 3(-0.5,-1.631) 4(0,-1.631) 5(0.5,-1.631) 6(1,-1.631) 9(1,1.631) 10(0.5,1.631) 11(0,1.631) 12(-0.5,1.631) 13(-1,1.631)
  rect 2.05x2.05 smd paste-1.143: 15(0,0)
  silkscreen extent -2.66,-1.97 1.97,1.97, body extent -1.83,-1.83 1.83,1.83, height 1
QFN50P350X350X100_RGY_S-PVQFN-N14#2 [mm] "QFN, 14-Leads, Body 3.50x3.50mm, Pitch 1.50mm/0.50mm, Thermal Pad 2.05x2.05mm, IPC High Density"
  oval 0.8x0.28 smd: 1(-1.625,-0.75) 7(1.625,-0.75) 8(1.625,0.75) 14(-1.625,0.75)
  oval 0.28x0.8 smd: 2(-1,-1.625) 3(-0.5,-1.625) 4(0,-1.625) 5(0.5,-1.625) 6(1,-1.625) 9(1,1.625) 10(0.5,1.625) 11(0,1.625) 12(-0.5,1.625) 13(-1,1.625)
  rect 2.032x2.032 smd: 15(0,0)
  silkscreen extent -2.66,-1.97 1.97,1.97, body extent -1.83,-1.83 1.83,1.83, height 1
R0402 [mil]
  rrect40% 22x24 smd: 1(-18.9,0) 2(19,0)
  silkscreen extent -38,-19 38,20, body extent -20,-10 20,10, height 14
R0402TBD [mil]
  rrect40% 22x24 smd: 1(-18.9,0) 2(19,0)
  silkscreen extent -38,-19 38,20, body extent -20,-10 20,10, height 14
R0603 [mil]
  rect 29x39 smd: 1(-26.75,0) 2(26.75,0)
  body extent -34,-19 34,19, height 22
R0805 [mm]
  rect 0.8x1.25 smd mask+0.051: 1(-0.9,0) 2(0.9,0)
  silkscreen extent -1.5,-0.82 1.5,0.82, body extent -1.05,-0.67 1.05,0.67, height 0.6
R2512 [mm]
  rect 1.15x3.35 smd: 1(-3,0) 2(3,0)
  body extent -3.22,-1.68 3.22,1.68, height 0.65
S25FL216K0PMFI041 [mm] "SOIC, 8-Leads, Body 4.90x3.90mm, Pitch 1.27mm, IPC Medium Density"
  oval 1.5x0.6 smd: 1(-2.7,1.905) 2(-2.7,0.635) 3(-2.7,-0.635) 4(-2.7,-1.905) 5(2.7,-1.905) 6(2.7,-0.635) 7(2.7,0.635) 8(2.7,1.905)
  silkscreen extent -2.82,-2.45 1.55,2.88, body extent -1.95,-2.45 1.95,2.45, height 1.75
"SD_MICRO 475710001" [mm] "CONN MICRO SD CARD PUSH-PULL R/A Half length"
  rect 0.7x1 smd: 1(3.85,1.465) 2(2.75,1.465) 3(1.65,1.465) 4(0.55,1.465) 5(-0.55,1.465) 6(-1.65,1.465) 7(-2.75,1.465) 8(-3.85,1.465)
  rect 1.05x1.2 smd: 9(-4.975,0.415)
  rect 1.15x1.2 smd: 10(-4.925,-2.175)
  rect 1.45x1.2 smd: 11(5.475,-0.025)
  rect 1x0.694 smd: 12(5.7,-1.175)
  rect 1.4x0.9 smd: 13(5.5,-2.325)
  silkscreen extent -5.5,-2.78 6.2,2.78, body extent -5.38,-2.55 6.02,2.9, height 2.36
SJ#1 [mil]
  rrect50% 46x63 smd paste-32: 1(-30,0) 2(30,0)
  silkscreen extent -65,-40 65,40, body extent -53,-31 53,31, height 4
SJ#2 [mil]
  rrect50% 46x63 smd: 1(-30,0) 2(30,0)
  silkscreen extent -65,-40 65,40, body extent -53,-31 53,31, height 4
SMA-SM#1 [mil]
  rect 79x79 smd: A(79,0) C(-78.74,0)
  round 25 on Top Overlay: ""(-107.28,56.1)
  silkscreen extent -89,-49 89,50, body extent -105,-54 105,55, height 116
SMA-SM#2 [mil]
  rect 79x79 smd: A(79,0) K(-78.74,0)
  round 25 on Top Overlay: ""(-107.28,56.1)
  silkscreen extent -89,-49 89,50, body extent -105,-54 105,55, height 116
SMB_DO-214AA_LRG [mil]
  rect 50x83 smd mask+2: A(78,0) K(-78,0)
  silkscreen extent -109,-78 93,78
"SO8FL-Dual (DFN8 5x6, 1.26P Dual Flag)" [mm] "SON, 8-Leads, Body 5.15x6.15mm, Pitch 1.27mm, IPC High Density"
  rect 0.75x0.95 smd: 1(-1.905,-2.835) 2(-0.635,-2.835) 3(0.635,-2.835) 4(1.905,-2.835)
  rect 0.75x0.95 smd paste-1 mask-1: 5(1.905,2.835) 7(-0.635,2.835)
  Top Layer region: 2.775,-1.55 0.2,-1.55 0.2,3.31 1.005,3.31 1.005,2.75 1.53,2.75 1.53,3.31 2.28,3.31 2.28,2.15 2.775,2.15 2.775,0.75 2.28,0.75 2.28,-0.15 2.775,-0.15
  Top Layer region: -2.775,-1.55 -0.2,-1.55 -0.2,3.31 -1.005,3.31 -1.005,2.75 -1.53,2.75 -1.53,3.31 -2.28,3.31 -2.28,2.15 -2.775,2.15 -2.775,0.75 -2.28,0.75 -2.28,-0.15 -2.775,-0.15
  Top Layer region: -2.775,-1.55
  silkscreen extent -2.78,-3.67 2.73,3.22, body extent -2.58,-3.08 2.58,3.08, height 1.1
SO-4 [mm]
  oval 1.45x0.55 smd: 1(-3.275,0.635) 2(-3.275,-0.635) 3(3.275,-0.635) 4(3.275,0.635)
  silkscreen extent -3.4,-1.4 2.15,1.58, body extent -3.57,-1.4 3.57,1.4, height 2.1
SOD323-R [mil]
  rect 24x24 smd: A(44,0) C(-43.31,0)
  silkscreen extent -58,-38 -48,-28, body extent -50,-31 50,31, height 28
SOD523_IPC [mm]
  rect 0.6x0.8 smd: A(0.85,0) K(-0.85,0)
  silkscreen extent -1.35,-0.55 1.07,0.55, body extent -0.65,-0.45 0.65,0.45, height 0.65
SOD923-100X40-2N [mm] "SODFL, 2-Leads, Body 0.60x1.00mm, IPC Medium Density"
  rect 0.3x0.4 smd paste-0.025: A(0.45,0) C(-0.45,0)
  silkscreen extent -0.55,0.35 -0.45,0.45, body extent -0.42,-0.33 0.43,0.33, height 0.4
SOD923-D [mm] "SODFL, 2-Leads, Body 0.60x1.00mm, IPC Medium Density"
  rect 0.3x0.4 smd paste-0.025: A(0.45,0) K(-0.45,0)
  silkscreen extent -0.97,-0.43 0.33,0.43, body extent -0.42,-0.33 0.43,0.33, height 0.4
SOIC127P600X170_HS-9L [mm] "SOIC, 8-Leads, Body 4.90x3.90mm, Pitch 1.27mm, Thermal Pad 3.10x2.40mm, IPC High Density"
  rect 1.25x0.55 smd: 1(-2.625,1.905) 2(-2.625,0.635) 3(-2.625,-0.635) 4(-2.625,-1.905) 5(2.625,-1.905) 6(2.625,-0.635) 7(2.625,0.635) 8(2.625,1.905)
  rect 2.4x3.1 smd: 9(0,0)
  silkscreen extent -2.75,-2.5 1.6,2.85, body extent -2,-2.5 2,2.5, height 1.7
SOT23-5 [mm]
  rect 1x0.55 smd: 1(-1.35,0.95) 2(-1.35,0) 3(-1.35,-0.95) 4(1.35,-0.95) 5(1.35,0.95)
  silkscreen extent -1.47,-1.55 0.5,1.9, body extent -1.5,-1.53 1.5,1.53, height 1.45
SOT26P285X140-6L [mm] "SOT26, 6-Leads, Body 3.00x2.85mm, Pitch 0.95mm, IPC High Density"
  rect 0.85x0.6 smd: 1(-1.275,0.95) 2(-1.275,0) 3(-1.275,-0.95) 4(1.275,-0.95) 5(1.275,0) 6(1.275,0.95)
  silkscreen extent -1.4,-1.55 0.45,1.92, body extent -0.85,-1.55 0.85,1.55, height 1.4
"SOT523 SMALL" [mm]
  rect 0.8x0.55 smd: 1(-0.9,0.5) 2(-0.9,-0.5) 3(0.9,0)
  silkscreen extent -1.02,-0.85 0.43,1.45, body extent -0.43,-0.85 0.43,0.85, height 0.8
SOT669_Universal [mil]
  rect 28x56 smd: 1(-75,-100.41) 2(-25,-100.41) 3(25,-100.41) 4(75,-100.41)
  rect 197x170 smd paste-102.36 mask-236.22: TAB(0,43.98)
  silkscreen extent -99,-112 98,126, body extent -99,-113 98,126, height 39
SOT886 [mm]
  rect 0.27x0.325 smd paste-5: 1(-0.5,-0.337) 2(0,-0.337) 3(0.5,-0.337) 4(0.5,0.337) 5(0,0.337) 6(-0.5,0.337)
  silkscreen extent -1.05,-0.83 -0.9,-0.67, body extent -0.75,-0.53 0.75,0.53, height 0.54